# KiCad board haptic display 8x8 aisler.kicad_pcb (continued)
## Routing (per net, layer and track width the routed paths; a pad name or vN(x,y) marks a point on that pad's centre or on a via; arc(x,y) is an arc through that point) (continued)
  Back w0.15: 125.41,123.98 125.36,123.96 125,123.6 125,123.55 125.21,123.56 125.41,123.6 125.61,123.67 125.8,123.76 125.97,123.88 126.12,124.03 126.25,124.19 126.36,124.38 126.44,124.58 126.49,124.79 126.51,125 126.5,125.22 126.46,125.43 126.39,125.64 126.29,125.83 126.16,126.01 126.01,126.17 125.84,126.31 125.65,126.42 125.44,126.5 125.22,126.55 125,126.58 124.78,126.56 124.55,126.52 124.34,126.45 124.14,126.34 123.95,126.21 123.78,126.05 123.64,125.87 123.53,125.67 123.44,125.46 123.38,125.23 123.36,125 123.37,124.77 123.42,124.54 123.49,124.31 123.6,124.1 123.74,123.91 123.91,123.74 124.09,123.59 124.3,123.47 124.52,123.38 124.76,123.32 125,123.3 125.22,123.31 125.44,123.35 125.66,123.41 125.86,123.51 126.05,123.63 126.22,123.78 126.38,123.94 126.51,124.13 126.61,124.33 126.69,124.55 126.74,124.77 126.76,125 126.75,125.23 126.71,125.46 126.64,125.68 126.54,125.89 126.42,126.09 126.27,126.27 126.1,126.43 125.9,126.56 125.69,126.67 125.47,126.75 125.24,126.8 125,126.83 124.76,126.81 124.52,126.77 124.3,126.7 124.08,126.6 123.87,126.47 123.69,126.31 123.52,126.13 123.38,125.93 123.27,125.72 123.19,125.49 123.13,125.25 123.11,125 123.12,124.75 123.17,124.51 123.24,124.27 123.35,124.05 123.48,123.84 123.64,123.64 123.83,123.47 124.04,123.33 124.26,123.21 124.5,123.13 124.75,123.07 125,123.05 125.24,123.06 125.47,123.1 125.7,123.16 125.92,123.26 126.12,123.38 126.31,123.52 126.48,123.68 126.64,123.87 126.76,124.07 126.87,124.29 126.94,124.52 126.99,124.76 127.01,125 127,125.24 126.96,125.48 126.9,125.72 126.8,125.94 126.68,126.16 126.53,126.35 126.36,126.53 126.17,126.69 125.96,126.82 125.73,126.93 125.49,127.01 125.25,127.06 125,127.08 124.75,127.06 124.5,127.02 124.26,126.95 124.03,126.85 123.81,126.73 123.6,126.57 123.42,126.4 123.26,126.2 123.12,125.98 123.01,125.75 122.93,125.51 122.88,125.26 122.86,125 122.87,124.74 122.92,124.49 122.99,124.24 123.09,124 123.22,123.77 123.38,123.56 123.56,123.37 123.76,123.21 123.99,123.07 124.22,122.96 124.48,122.87 124.74,122.82 125,122.8 125.25,122.81 125.49,122.85 125.73,122.91 125.96,123 126.18,123.12 126.39,123.26 126.58,123.42 126.75,123.61 126.9,123.81 127.02,124.03 127.12,124.26 127.2,124.5 127.24,124.75 127.26,125 127.25,125.25 127.21,125.51 127.15,125.75 127.05,125.99 126.93,126.22 126.79,126.43 126.62,126.62 126.43,126.8 126.23,126.95 126,127.08 125.76,127.18 125.52,127.26 125.26,127.31 125,127.33 124.74,127.31 124.48,127.28 124.23,127.21 123.98,127.11 123.75,126.99 123.53,126.84 123.33,126.67 123.15,126.47 123,126.26 122.87,126.03 122.76,125.78 122.68,125.53 122.63,125.27 122.61,125 122.62,124.73 122.66,124.47 122.73,124.21 122.83,123.96 122.96,123.72 123.11,123.49 123.29,123.29 123.49,123.11 123.71,122.94 123.94,122.81 124.2,122.7 124.46,122.62 124.73,122.57 125,122.55 125.26,122.56 125.51,122.6 125.76,122.66 126,122.75 126.24,122.86 126.45,123 126.66,123.16 126.85,123.34 127.01,123.54 127.16,123.75 127.28,123.98 127.38,124.23 127.45,124.48 127.49,124.74 127.51,125 127.5,125.26 127.47,125.52 127.4,125.78 127.31,126.03 127.19,126.27 127.05,126.49 126.89,126.7 126.7,126.89 126.5,127.06 126.28,127.21 126.04,127.34 125.79,127.44 125.53,127.51 125.27,127.56 125,127.58 124.73,127.57 124.46,127.53 124.2,127.46 123.95,127.37 123.7,127.25 123.47,127.1 123.26,126.94 123.06,126.75 122.89,126.54 122.73,126.31 122.61,126.07 122.5,125.81 122.43,125.55 122.38,125.28 122.36,125 122.37,124.72 122.41,124.45 122.48,124.18 122.58,123.92 122.7,123.67 122.85,123.44 123.02,123.22 123.21,123.02 123.43,122.84 123.66,122.68 123.91,122.55 124.17,122.44 124.44,122.37 124.72,122.32 125,122.3 125.27,122.31 125.53,122.34 125.79,122.41 126.04,122.49 126.28,122.6 126.51,122.74 126.73,122.89 126.93,123.07 127.11,123.26 127.28,123.48 127.42,123.71 127.54,123.95 127.63,124.2 127.7,124.46 127.75,124.73 127.76,125 127.75,125.27 127.72,125.54 127.65,125.81 127.57,126.06 127.45,126.31 127.32,126.55 127.16,126.77 126.98,126.98 126.77,127.16 126.56,127.33 126.32,127.47 126.08,127.6 125.82,127.69 125.55,127.76 125.28,127.81 125,127.83 124.72,127.82 124.45,127.78 124.18,127.71 123.91,127.62 123.66,127.51 123.42,127.37 123.19,127.2 122.98,127.02 122.79,126.81 122.62,126.59 122.47,126.35 122.35,126.1 122.25,125.83 122.18,125.56 122.13,125.28 122.11,125 122.12,124.72 122.16,124.44 122.23,124.16 122.32,123.89 122.44,123.63 122.58,123.38 122.75,123.15 122.94,122.94 123.15,122.74 123.37,122.57 123.62,122.42 123.88,122.29 124.15,122.19 124.43,122.11 124.71,122.07 125,122.05 125.27,122.06 125.54,122.09 125.81,122.15 126.07,122.24 126.32,122.34 126.56,122.47 126.79,122.63 127.01,122.8 127.2,122.99 127.38,123.2 127.54,123.43 127.68,123.67 127.8,123.92 127.89,124.18 127.95,124.45 128,124.72 128.01,125 128,125.28 127.97,125.55 127.91,125.83 127.82,126.09 127.71,126.35 127.58,126.6 127.42,126.83 127.25,127.05 127.05,127.25 126.84,127.43 126.61,127.6 126.36,127.74 126.11,127.85 125.84,127.95 125.56,128.02 125.28,128.06 125,128.07 124.72,128.07 124.43,128.03 124.16,127.97 123.88,127.88 123.62,127.77 123.37,127.63 123.13,127.47 122.91,127.29 122.7,127.09 122.52,126.88 122.35,126.64 122.21,126.39 122.09,126.13 121.99,125.86 121.92,125.58 121.88,125.29 121.86,125 121.87,124.71 121.91,124.42 121.97,124.14 122.06,123.86 122.17,123.59 122.31,123.34 122.48,123.09 122.66,122.87 122.86,122.66 123.09,122.47 123.33,122.3 123.58,122.15 123.85,122.03 124.13,121.93 124.41,121.86 124.71,121.82 125,121.8 125.28,121.81 125.56,121.84 125.83,121.9 126.1,121.98 126.36,122.08 126.61,122.21 126.85,122.36 127.07,122.53 127.28,122.72 127.48,122.92 127.65,123.14 127.81,123.38 127.94,123.63 128.05,123.89 128.14,124.16 128.21,124.43 128.25,124.72 128.26,125 128.25,125.28 128.22,125.57 128.16,125.85 128.08,126.12 127.97,126.39 127.84,126.64 127.69,126.89 127.52,127.11 127.33,127.33 127.12,127.53 126.89,127.7 126.65,127.86 126.4,128 126.13,128.11 125.86,128.2 125.58,128.27 125.29,128.31 125,128.32 124.71,128.32 124.42,128.28 124.14,128.22 123.86,128.14 123.59,128.03 123.33,127.9 123.08,127.74 122.84,127.57 122.63,127.37 122.43,127.16 122.25,126.93 122.08,126.68 121.95,126.42 121.83,126.15 121.74,125.87 121.67,125.59 121.63,125.29 121.61,125 121.62,124.7 121.66,124.41 121.72,124.12 121.8,123.84 121.91,123.56 122.05,123.3 122.21,123.04 122.38,122.8 122.58,122.58 122.8,122.38 123.04,122.19 123.29,122.03 123.55,121.89 123.82,121.77 124.11,121.68 124.4,121.61 124.7,121.57 125,121.55 125.29,121.56 125.57,121.59 125.85,121.65 126.12,121.72 126.39,121.83 126.65,121.95 126.9,122.09 127.14,122.26 127.36,122.44 127.56,122.64 127.75,122.86 127.92,123.09 128.07,123.34 128.2,123.6 128.31,123.86 128.4,124.14 128.46,124.42 128.5,124.71 128.51,125 128.5,125.29 128.47,125.58 128.41,125.86 128.33,126.14 128.23,126.42 128.11,126.68 127.96,126.93 127.79,127.17 127.61,127.4 127.4,127.61 127.18,127.8 126.94,127.97 126.69,128.13 126.43,128.26 126.16,128.37 125.88,128.46 125.59,128.52 125.29,128.56 125,128.57 124.7,128.57 124.41,128.53 124.12,128.48 123.83,128.39 123.56,128.29 123.29,128.16 123.03,128.01 122.79,127.84 122.56,127.65 122.35,127.44 122.15,127.22 121.97,126.98 121.82,126.72 121.68,126.45 121.57,126.18 121.48,125.89 121.42,125.6 121.38,125.3 121.36,125 121.37,124.7 121.41,124.4 121.46,124.1 121.55,123.81 121.65,123.53 121.78,123.26 121.94,123 122.11,122.75 122.3,122.52 122.51,122.3 122.74,122.1 122.99,121.92 123.25,121.76 123.52,121.63 123.8,121.51 124.09,121.42 124.39,121.36 124.69,121.32 125,121.3 125.29,121.31 125.58,121.34 125.87,121.39 126.15,121.47 126.42,121.57 126.69,121.69 126.94,121.83 127.19,121.99 127.42,122.17 127.64,122.36 127.84,122.57 128.02,122.8 128.19,123.05 128.34,123.3 128.46,123.57 128.57,123.84 128.65,124.12 128.71,124.41 128.75,124.71 128.76,125 128.75,125.3 128.72,125.59 128.67,125.88 128.59,126.17 128.49,126.45 128.37,126.72 128.23,126.98 128.06,127.23 127.88,127.46 127.68,127.68 127.47,127.89 127.23,128.07 126.99,128.24 126.73,128.39 126.46,128.52 126.18,128.63 125.89,128.71 125.6,128.77 125.3,128.81 125,128.82 124.7,128.82 124.4,128.78 124.1,128.73 123.81,128.65 123.53,128.55 123.25,128.42 122.99,128.28 122.74,128.11 122.5,127.93 122.27,127.73 122.07,127.51 121.88,127.27 121.7,127.02 121.55,126.76 121.42,126.48 121.31,126.2 121.23,125.91 121.17,125.61 121.13,125.3 121.11,125 121.12,124.69 121.15,124.39 121.21,124.09 121.29,123.79 121.39,123.51 121.52,123.23 121.67,122.96 121.83,122.7 122.02,122.46 122.23,122.23 122.45,122.02 122.69,121.82 122.95,121.65 123.22,121.5 123.49,121.37 123.78,121.26 124.08,121.17 124.38,121.1 124.69,121.07 125,121.05 125.3,121.06 125.59,121.09 125.88,121.14 126.17,121.21 126.45,121.31 126.72,121.43 126.99,121.56 127.24,121.72 127.48,121.89 127.71,122.08 127.92,122.29 128.12,122.51 128.3,122.75 128.46,123 128.6,123.27 128.72,123.54 128.82,123.82 128.9,124.11 128.96,124.4 129,124.7 129.01,125 129,125.3 128.97,125.6 128.92,125.89 128.85,126.19 128.75,126.47 128.63,126.75 128.49,127.02 128.33,127.27 128.16,127.52 127.96,127.75 127.75,127.97 127.52,128.17 127.28,128.35 127.03,128.51 126.76,128.66 126.48,128.78 126.2,128.88 125.9,128.96 125.61,129.02 125.3,129.06 125,129.07 124.7,129.07 124.39,129.04 124.09,128.98 123.8,128.91 123.51,128.81 123.22,128.69 122.95,128.55 122.69,128.39 122.44,128.21 122.21,128.01 121.99,127.79 121.79,127.56 121.6,127.32 121.43,127.06 121.29,126.79 121.16,126.51 121.06,126.22 120.97,125.92 120.91,125.62 120.88,125.31 120.86,125 120.87,124.69 120.9,124.38 120.96,124.08 121.03,123.78 121.13,123.48 121.26,123.2 121.4,122.92 121.56,122.66 121.74,122.4 121.95,122.17 122.16,121.94 122.4,121.74 122.65,121.55 122.91,121.38 123.19,121.23 123.47,121.1 123.77,121 124.07,120.91 124.37,120.85 124.69,120.81 125,120.8 125.3,120.81 125.6,120.84 125.89,120.89 126.19,120.96 126.47,121.05 126.75,121.16 127.02,121.3 127.28,121.45 127.53,121.62 127.77,121.8 127.99,122.01 128.2,122.23 128.39,122.46 128.57,122.71 128.72,122.97 128.86,123.24 128.98,123.52 129.08,123.8 129.16,124.1 129.21,124.39 129.25,124.7 129.26,125 129.25,125.3 129.22,125.61 129.17,125.91 129.1,126.2 129.01,126.49 128.89,126.78 128.76,127.05 128.6,127.32 128.43,127.57 128.24,127.81 128.04,128.04 127.81,128.25 127.58,128.44 127.33,128.62 127.06,128.78 126.79,128.92 126.51,129.04 126.22,129.14 125.92,129.22 125.61,129.28 125.31,129.31 125,129.32 124.69,129.32 124.38,129.29 124.08,129.23 123.78,129.16 123.48,129.07 123.2,128.95 122.92,128.81 122.65,128.66 122.39,128.48 122.15,128.29 121.92,128.08 121.71,127.85 121.51,127.61 121.33,127.36 121.17,127.09 121.02,126.82 120.9,126.53 120.8,126.23 120.72,125.93 120.66,125.62 120.63,125.31 120.61,125 120.62,124.69 120.65,124.37 120.7,124.07 120.78,123.76 120.88,123.46 120.99,123.17 121.13,122.89 121.29,122.62 121.47,122.36 121.66,122.11 121.88,121.88 122.1,121.66 122.35,121.46 122.61,121.28 122.88,121.11 123.16,120.97 123.45,120.84 123.75,120.74 124.06,120.66 124.37,120.6 124.68,120.56 125,120.55 126.45,120.55 ; 125.41,108.98 125.36,108.96 125,108.6 125,108.55 125.21,108.56 125.41,108.6 125.61,108.67 125.8,108.76 125.97,108.88 126.12,109.03 126.25,109.19 126.36,109.38 126.44,109.58 126.49,109.79 126.51,110 126.5,110.22 126.46,110.43 126.39,110.64 126.29,110.83 126.16,111.01 126.01,111.17 125.84,111.31 125.65,111.42 125.44,111.5 125.22,111.55 125,111.58 124.78,111.56 124.55,111.52 124.34,111.45 124.14,111.34 123.95,111.21 123.78,111.05 123.64,110.87 123.53,110.67 123.44,110.46 123.38,110.23 123.36,110 123.37,109.77 123.42,109.54 123.49,109.31 123.6,109.1 123.74,108.91 123.91,108.74 124.09,108.59 124.3,108.47 124.52,108.38 124.76,108.32 125,108.3 125.22,108.31 125.44,108.35 125.66,108.41 125.86,108.51 126.05,108.63 126.22,108.78 126.38,108.94 126.51,109.13 126.61,109.33 126.69,109.55 126.74,109.77 126.76,110 126.75,110.23 126.71,110.46 126.64,110.68 126.54,110.89 126.42,111.09 126.27,111.27 126.1,111.43 125.9,111.56 125.69,111.67 125.47,111.75 125.24,111.8 125,111.83 124.76,111.81 124.52,111.77 124.3,111.7 124.08,111.6 123.87,111.47 123.69,111.31 123.52,111.13 123.38,110.93 123.27,110.72 123.19,110.49 123.13,110.25 123.11,110 123.12,109.75 123.17,109.51 123.24,109.27 123.35,109.05 123.48,108.84 123.64,108.64 123.83,108.47 124.04,108.33 124.26,108.21 124.5,108.13 124.75,108.07 125,108.05 125.24,108.06 125.47,108.1 125.7,108.16 125.92,108.26 126.12,108.38 126.31,108.52 126.48,108.68 126.64,108.87 126.76,109.07 126.87,109.29 126.94,109.52 126.99,109.76 127.01,110 127,110.24 126.96,110.48 126.9,110.72 126.8,110.94 126.68,111.16 126.53,111.35 126.36,111.53 126.17,111.69 125.96,111.82 125.73,111.93 125.49,112.01 125.25,112.06 125,112.08 124.75,112.06 124.5,112.02 124.26,111.95 124.03,111.85 123.81,111.73 123.6,111.57 123.42,111.4 123.26,111.2 123.12,110.98 123.01,110.75 122.93,110.51 122.88,110.26 122.86,110 122.87,109.74 122.92,109.49 122.99,109.24 123.09,109 123.22,108.77 123.38,108.56 123.56,108.37 123.76,108.21 123.99,108.07 124.22,107.96 124.48,107.87 124.74,107.82 125,107.8 125.25,107.81 125.49,107.85 125.73,107.91 125.96,108 126.18,108.12 126.39,108.26 126.58,108.42 126.75,108.61 126.9,108.81 127.02,109.03 127.12,109.26 127.2,109.5 127.24,109.75 127.26,110 127.25,110.25 127.21,110.51 127.15,110.75 127.05,110.99 126.93,111.22 126.79,111.43 126.62,111.62 126.43,111.8 126.23,111.95 126,112.08 125.76,112.18 125.52,112.26 125.26,112.31 125,112.33 124.74,112.31 124.48,112.28 124.23,112.21 123.98,112.11 123.75,111.99 123.53,111.84 123.33,111.67 123.15,111.47 123,111.26 122.87,111.03 122.76,110.78 122.68,110.53 122.63,110.27 122.61,110 122.62,109.73 122.66,109.47 122.73,109.21 122.83,108.96 122.96,108.72 123.11,108.49 123.29,108.29 123.49,108.11 123.71,107.94 123.94,107.81 124.2,107.7 124.46,107.62 124.73,107.57 125,107.55 125.26,107.56 125.51,107.6 125.76,107.66 126,107.75 126.24,107.86 126.45,108 126.66,108.16 126.85,108.34 127.01,108.54 127.16,108.75 127.28,108.98 127.38,109.23 127.45,109.48 127.49,109.74 127.51,110 127.5,110.26 127.47,110.52 127.4,110.78 127.31,111.03 127.19,111.27 127.05,111.49 126.89,111.7 126.7,111.89 126.5,112.06 126.28,112.21 126.04,112.34 125.79,112.44 125.53,112.51 125.27,112.56 125,112.58 124.73,112.57 124.46,112.53 124.2,112.46 123.95,112.37 123.7,112.25 123.47,112.1 123.26,111.94 123.06,111.75 122.89,111.54 122.73,111.31 122.61,111.07 122.5,110.81 122.43,110.55 122.38,110.28 122.36,110 122.37,109.72 122.41,109.45 122.48,109.18 122.58,108.92 122.7,108.67 122.85,108.44 123.02,108.22 123.21,108.02 123.43,107.84 123.66,107.68 123.91,107.55 124.17,107.44 124.44,107.37 124.72,107.32 125,107.3 125.27,107.31 125.53,107.34 125.79,107.41 126.04,107.49 126.28,107.6 126.51,107.74 126.73,107.89 126.93,108.07 127.11,108.26 127.28,108.48 127.42,108.71 127.54,108.95 127.63,109.2 127.7,109.46 127.75,109.73 127.76,110 127.75,110.27 127.72,110.54 127.65,110.81 127.57,111.06 127.45,111.31 127.32,111.55 127.16,111.77 126.98,111.98 126.77,112.16 126.56,112.33 126.32,112.47 126.08,112.6 125.82,112.69 125.55,112.76 125.28,112.81 125,112.83 124.72,112.82 124.45,112.78 124.18,112.71 123.91,112.62 123.66,112.51 123.42,112.37 123.19,112.2 122.98,112.02 122.79,111.81 122.62,111.59 122.47,111.35 122.35,111.1 122.25,110.83 122.18,110.56 122.13,110.28 122.11,110 122.12,109.72 122.16,109.44 122.23,109.16 122.32,108.89 122.44,108.63 122.58,108.38 122.75,108.15 122.94,107.94 123.15,107.74 123.37,107.57 123.62,107.42 123.88,107.29 124.15,107.19 124.43,107.11 124.71,107.07 125,107.05 125.27,107.06 125.54,107.09 125.81,107.15 126.07,107.24 126.32,107.34 126.56,107.47 126.79,107.63 127.01,107.8 127.2,107.99 127.38,108.2 127.54,108.43 127.68,108.67 127.8,108.92 127.89,109.18 127.95,109.45 128,109.72 128.01,110 128,110.28 127.97,110.55 127.91,110.83 127.82,111.09 127.71,111.35 127.58,111.6 127.42,111.83 127.25,112.05 127.05,112.25 126.84,112.43 126.61,112.6 126.36,112.74 126.11,112.85 125.84,112.95 125.56,113.02 125.28,113.06 125,113.08 124.72,113.07 124.43,113.03 124.16,112.97 123.88,112.88 123.62,112.77 123.37,112.63 123.13,112.47 122.91,112.29 122.7,112.09 122.52,111.88 122.35,111.64 122.21,111.39 122.09,111.13 121.99,110.86 121.92,110.58 121.88,110.29 121.86,110 121.87,109.71 121.91,109.42 121.97,109.14 122.06,108.86 122.17,108.59 122.31,108.34 122.48,108.09 122.66,107.87 122.86,107.66 123.09,107.47 123.33,107.3 123.58,107.15 123.85,107.03 124.13,106.93 124.41,106.86 124.71,106.82 125,106.8 125.28,106.81 125.56,106.84 125.83,106.9 126.1,106.98 126.36,107.08 126.61,107.21 126.85,107.36 127.07,107.53 127.28,107.72 127.48,107.92 127.65,108.14 127.81,108.38 127.94,108.63 128.05,108.89 128.14,109.16 128.21,109.43 128.25,109.72 128.26,110 128.25,110.28 128.22,110.57 128.16,110.85 128.08,111.12 127.97,111.39 127.84,111.64 127.69,111.89 127.52,112.11 127.33,112.33 127.12,112.53 126.89,112.7 126.65,112.86 126.4,113 126.13,113.11 125.86,113.2 125.58,113.27 125.29,113.31 125,113.33 124.71,113.32 124.42,113.28 124.14,113.22 123.86,113.14 123.59,113.03 123.33,112.9 123.08,112.74 122.84,112.57 122.63,112.37 122.43,112.16 122.25,111.93 122.08,111.68 121.95,111.42 121.83,111.15 121.74,110.87 121.67,110.59 121.63,110.29 121.61,110 121.62,109.7 121.66,109.41 121.72,109.12 121.8,108.84 121.91,108.56 122.05,108.3 122.21,108.04 122.38,107.8 122.58,107.58 122.8,107.38 123.04,107.19 123.29,107.03 123.55,106.89 123.82,106.77 124.11,106.68 124.4,106.61 124.7,106.57 125,106.55 125.29,106.56 125.57,106.59 125.85,106.65 126.12,106.72 126.39,106.83 126.65,106.95 126.9,107.09 127.14,107.26 127.36,107.44 127.56,107.64 127.75,107.86 127.92,108.09 128.07,108.34 128.2,108.6 128.31,108.86 128.4,109.14 128.46,109.42 128.5,109.71 128.51,110 128.5,110.29 128.47,110.58 128.41,110.86 128.33,111.14 128.23,111.42 128.11,111.68 127.96,111.93 127.79,112.17 127.61,112.4 127.4,112.61 127.18,112.8 126.94,112.97 126.69,113.13 126.43,113.26 126.16,113.37 125.88,113.46 125.59,113.52 125.29,113.56 125,113.58 124.7,113.57 124.41,113.53 124.12,113.48 123.83,113.39 123.56,113.29 123.29,113.16 123.03,113.01 122.79,112.84 122.56,112.65 122.35,112.44 122.15,112.22 121.97,111.98 121.82,111.72 121.68,111.45 121.57,111.18 121.48,110.89 121.42,110.6 121.38,110.3 121.36,110 121.37,109.7 121.41,109.4 121.46,109.1 121.55,108.81 121.65,108.53 121.78,108.26 121.94,108 122.11,107.75 122.3,107.52 122.51,107.3 122.74,107.1 122.99,106.92 123.25,106.76 123.52,106.63 123.8,106.51 124.09,106.42 124.39,106.36 124.69,106.32 125,106.3 125.29,106.31 125.58,106.34 125.87,106.39 126.15,106.47 126.42,106.57 126.69,106.69 126.94,106.83 127.19,106.99 127.42,107.17 127.64,107.36 127.84,107.57 128.02,107.8 128.19,108.05 128.34,108.3 128.46,108.57 128.57,108.84 128.65,109.12 128.71,109.41 128.75,109.71 128.76,110 128.75,110.3 128.72,110.59 128.67,110.88 128.59,111.17 128.49,111.45 128.37,111.72 128.23,111.98 128.06,112.23 127.88,112.46 127.68,112.68 127.47,112.89 127.23,113.07 126.99,113.24 126.73,113.39 126.46,113.52 126.18,113.63 125.89,113.71 125.6,113.77 125.3,113.81 125,113.83 124.7,113.82 124.4,113.78 124.1,113.73 123.81,113.65 123.53,113.55 123.25,113.42 122.99,113.28 122.74,113.11 122.5,112.93 122.27,112.73 122.07,112.51 121.88,112.27 121.7,112.02 121.55,111.76 121.42,111.48 121.31,111.2 121.23,110.91 121.17,110.61 121.13,110.3 121.11,110 121.12,109.69 121.15,109.39 121.21,109.09 121.29,108.79 121.39,108.51 121.52,108.23 121.67,107.96 121.83,107.7 122.02,107.46 122.23,107.23 122.45,107.02 122.69,106.82 122.95,106.65 123.22,106.5 123.49,106.37 123.78,106.26 124.08,106.17 124.38,106.1 124.69,106.07 125,106.05 125.3,106.06 125.59,106.09 125.88,106.14 126.17,106.21 126.45,106.31 126.72,106.43 126.99,106.56 127.24,106.72 127.48,106.89 127.71,107.08 127.92,107.29 128.12,107.51 128.3,107.75 128.46,108 128.6,108.27 128.72,108.54 128.82,108.82 128.9,109.11 128.96,109.4 129,109.7 129.01,110 129,110.3 128.97,110.6 128.92,110.89 128.85,111.19 128.75,111.47 128.63,111.75 128.49,112.02 128.33,112.27 128.16,112.52 127.96,112.75 127.75,112.97 127.52,113.17 127.28,113.35 127.03,113.51 126.76,113.66 126.48,113.78 126.2,113.88 125.9,113.96 125.61,114.02 125.3,114.06 125,114.08 124.7,114.07 124.39,114.04 124.09,113.98 123.8,113.91 123.51,113.81 123.22,113.69 122.95,113.55 122.69,113.39 122.44,113.21 122.21,113.01 121.99,112.79 121.79,112.56 121.6,112.32 121.43,112.06 121.29,111.79 121.16,111.51 121.06,111.22 120.97,110.92 120.91,110.62 120.88,110.31 120.86,110 120.87,109.69 120.9,109.38 120.96,109.08 121.03,108.78 121.13,108.48 121.26,108.2 121.4,107.92 121.56,107.66 121.74,107.4 121.95,107.17 122.16,106.94 122.4,106.74 122.65,106.55 122.91,106.38 123.19,106.23 123.47,106.1 123.77,106 124.07,105.91 124.37,105.85 124.69,105.81 125,105.8 125.3,105.81 125.6,105.84 125.89,105.89 126.19,105.96 126.47,106.05 126.75,106.16 127.02,106.3 127.28,106.45 127.53,106.62 127.77,106.8 127.99,107.01 128.2,107.23 128.39,107.46 128.57,107.71 128.72,107.97 128.86,108.24 128.98,108.52 129.08,108.8 129.16,109.1 129.21,109.39 129.25,109.7 129.26,110 129.25,110.3 129.22,110.61 129.17,110.91 129.1,111.2 129.01,111.49 128.89,111.78 128.76,112.05 128.6,112.32 128.43,112.57 128.24,112.81 128.04,113.04 127.81,113.25 127.58,113.44 127.33,113.62 127.06,113.78 126.79,113.92 126.51,114.04 126.22,114.14 125.92,114.22 125.61,114.28 125.31,114.31 125,114.33 124.69,114.32 124.38,114.29 124.08,114.23 123.78,114.16 123.48,114.07 123.2,113.95 122.92,113.81 122.65,113.66 122.39,113.48 122.15,113.29 121.92,113.08 121.71,112.85 121.51,112.61 121.33,112.36 121.17,112.09 121.02,111.82 120.9,111.53 120.8,111.23 120.72,110.93 120.66,110.62 120.63,110.31 120.61,110 120.62,109.69 120.65,109.37 120.7,109.07 120.78,108.76 120.88,108.46 120.99,108.17 121.13,107.89 121.29,107.62 121.47,107.36 121.66,107.11 121.88,106.88 122.1,106.66 122.35,106.46 122.61,106.28 122.88,106.11 123.16,105.97 123.45,105.84 123.75,105.74 124.06,105.66 124.37,105.6 124.68,105.56 125,105.55 126.45,105.55 ; 125.41,93.98 125.36,93.96 125,93.6 125,93.55 125.21,93.56 125.41,93.6 125.61,93.67 125.8,93.76 125.97,93.88 126.12,94.03 126.25,94.19 126.36,94.38 126.44,94.58 126.49,94.79 126.51,95 126.5,95.22 126.46,95.43 126.39,95.64 126.29,95.83 126.16,96.01 126.01,96.17 125.84,96.31 125.65,96.42 125.44,96.5 125.22,96.55 125,96.58 124.78,96.56 124.55,96.52 124.34,96.45 124.14,96.34 123.95,96.21 123.78,96.05 123.64,95.87 123.53,95.67 123.44,95.46 123.38,95.23 123.36,95 123.37,94.77 123.42,94.54 123.49,94.31 123.6,94.1 123.74,93.91 123.91,93.74 124.09,93.59 124.3,93.47 124.52,93.38 124.76,93.32 125,93.3 125.22,93.31 125.44,93.35 125.66,93.41 125.86,93.51 126.05,93.63 126.22,93.78 126.38,93.94 126.51,94.13 126.61,94.33 126.69,94.55 126.74,94.77 126.76,95 126.75,95.23 126.71,95.46 126.64,95.68 126.54,95.89 126.42,96.09 126.27,96.27 126.1,96.43 125.9,96.56 125.69,96.67 125.47,96.75 125.24,96.8 125,96.83 124.76,96.81 124.52,96.77 124.3,96.7 124.08,96.6 123.87,96.47 123.69,96.31 123.52,96.13 123.38,95.93 123.27,95.72 123.19,95.49 123.13,95.25 123.11,95 123.12,94.75 123.17,94.51 123.24,94.27 123.35,94.05 123.48,93.84 123.64,93.64 123.83,93.47 124.04,93.33 124.26,93.21 124.5,93.13 124.75,93.07 125,93.05 125.24,93.06 125.47,93.1 125.7,93.16 125.92,93.26 126.12,93.38 126.31,93.52 126.48,93.68 126.64,93.87 126.76,94.07 126.87,94.29 126.94,94.52 126.99,94.76 127.01,95 127,95.24 126.96,95.48 126.9,95.72 126.8,95.94 126.68,96.16 126.53,96.35 126.36,96.53 126.17,96.69 125.96,96.82 125.73,96.93 125.49,97.01 125.25,97.06 125,97.08 124.75,97.06 124.5,97.02 124.26,96.95 124.03,96.85 123.81,96.73 123.6,96.57 123.42,96.4 123.26,96.2 123.12,95.98 123.01,95.75 122.93,95.51 122.88,95.26 122.86,95 122.87,94.74 122.92,94.49 122.99,94.24 123.09,94 123.22,93.77 123.38,93.56 123.56,93.37 123.76,93.21 123.99,93.07 124.22,92.96 124.48,92.87 124.74,92.82 125,92.8 125.25,92.81 125.49,92.85 125.73,92.91 125.96,93 126.18,93.12 126.39,93.26 126.58,93.42 126.75,93.61 126.9,93.81 127.02,94.03 127.12,94.26 127.2,94.5 127.24,94.75 127.26,95 127.25,95.25 127.21,95.51 127.15,95.75 127.05,95.99 126.93,96.22 126.79,96.43 126.62,96.62 126.43,96.8 126.23,96.95 126,97.08 125.76,97.18 125.52,97.26 125.26,97.31 125,97.33 124.74,97.31 124.48,97.28 124.23,97.21 123.98,97.11 123.75,96.99 123.53,96.84 123.33,96.67 123.15,96.47 123,96.26 122.87,96.03 122.76,95.78 122.68,95.53 122.63,95.27 122.61,95 122.62,94.73 122.66,94.47 122.73,94.21 122.83,93.96 122.96,93.72 123.11,93.49 123.29,93.29 123.49,93.11 123.71,92.94 123.94,92.81 124.2,92.7 124.46,92.62 124.73,92.57 125,92.55 125.26,92.56 125.51,92.6 125.76,92.66 126,92.75 126.24,92.86 126.45,93 126.66,93.16 126.85,93.34 127.01,93.54 127.16,93.75 127.28,93.98 127.38,94.23 127.45,94.48 127.49,94.74 127.51,95 127.5,95.26 127.47,95.52 127.4,95.78 127.31,96.03 127.19,96.27 127.05,96.49 126.89,96.7 126.7,96.89 126.5,97.06 126.28,97.21 126.04,97.34 125.79,97.44 125.53,97.51 125.27,97.56 125,97.58 124.73,97.57 124.46,97.53 124.2,97.46 123.95,97.37 123.7,97.25 123.47,97.1 123.26,96.94 123.06,96.75 122.89,96.54 122.73,96.31 122.61,96.07 122.5,95.81 122.43,95.55 122.38,95.28 122.36,95 122.37,94.72 122.41,94.45 122.48,94.18 122.58,93.92 122.7,93.67 122.85,93.44 123.02,93.22 123.21,93.02 123.43,92.84 123.66,92.68 123.91,92.55 124.17,92.44 124.44,92.37 124.72,92.32 125,92.3 125.27,92.31 125.53,92.34 125.79,92.41 126.04,92.49 126.28,92.6 126.51,92.74 126.73,92.89 126.93,93.07 127.11,93.26 127.28,93.48 127.42,93.71 127.54,93.95 127.63,94.2 127.7,94.46 127.75,94.73 127.76,95 127.75,95.27 127.72,95.54 127.65,95.81 127.57,96.06 127.45,96.31 127.32,96.55 127.16,96.77 126.98,96.98 126.77,97.16 126.56,97.33 126.32,97.47 126.08,97.6 125.82,97.69 125.55,97.76 125.28,97.81 125,97.83 124.72,97.82 124.45,97.78 124.18,97.71 123.91,97.62 123.66,97.51 123.42,97.37 123.19,97.2 122.98,97.02 122.79,96.81 122.62,96.59 122.47,96.35 122.35,96.1 122.25,95.83 122.18,95.56 122.13,95.28 122.11,95 122.12,94.72 122.16,94.44 122.23,94.16 122.32,93.89 122.44,93.63 122.58,93.38 122.75,93.15 122.94,92.94 123.15,92.74 123.37,92.57 123.62,92.42 123.88,92.29 124.15,92.19 124.43,92.11 124.71,92.07 125,92.05 125.27,92.06 125.54,92.09 125.81,92.15 126.07,92.24 126.32,92.34 126.56,92.47 126.79,92.63 127.01,92.8 127.2,92.99 127.38,93.2 127.54,93.43 127.68,93.67 127.8,93.92 127.89,94.18 127.95,94.45 128,94.72 128.01,95 128,95.28 127.97,95.55 127.91,95.83 127.82,96.09 127.71,96.35 127.58,96.6 127.42,96.83 127.25,97.05 127.05,97.25 126.84,97.43 126.61,97.6 126.36,97.74 126.11,97.85 125.84,97.95 125.56,98.02 125.28,98.06 125,98.08 124.72,98.07 124.43,98.03 124.16,97.97 123.88,97.88 123.62,97.77 123.37,97.63 123.13,97.47 122.91,97.29 122.7,97.09 122.52,96.88 122.35,96.64 122.21,96.39 122.09,96.13 121.99,95.86 121.92,95.58 121.88,95.29 121.86,95 121.87,94.71 121.91,94.42 121.97,94.14 122.06,93.86 122.17,93.59 122.31,93.34 122.48,93.09 122.66,92.87 122.86,92.66 123.09,92.47 123.33,92.3 123.58,92.15 123.85,92.03 124.13,91.93 124.41,91.86 124.71,91.82 125,91.8 125.28,91.81 125.56,91.84 125.83,91.9 126.1,91.98 126.36,92.08 126.61,92.21 126.85,92.36 127.07,92.53 127.28,92.72 127.48,92.92 127.65,93.14 127.81,93.38 127.94,93.63 128.05,93.89 128.14,94.16 128.21,94.43 128.25,94.72 128.26,95 128.25,95.28 128.22,95.57 128.16,95.85 128.08,96.12 127.97,96.39 127.84,96.64 127.69,96.89 127.52,97.11 127.33,97.33 127.12,97.53 126.89,97.7 126.65,97.86 126.4,98 126.13,98.11 125.86,98.2 125.58,98.27 125.29,98.31 125,98.33 124.71,98.32 124.42,98.28 124.14,98.22 123.86,98.14 123.59,98.03 123.33,97.9 123.08,97.74 122.84,97.57 122.63,97.37 122.43,97.16 122.25,96.93 122.08,96.68 121.95,96.42 121.83,96.15 121.74,95.87 121.67,95.59 121.63,95.29 121.61,95 121.62,94.7 121.66,94.41 121.72,94.12 121.8,93.84 121.91,93.56 122.05,93.3 122.21,93.04 122.38,92.8 122.58,92.58 122.8,92.38 123.04,92.19 123.29,92.03 123.55,91.89 123.82,91.77 124.11,91.68 124.4,91.61 124.7,91.57 125,91.55 125.29,91.56 125.57,91.59 125.85,91.65 126.12,91.72 126.39,91.83 126.65,91.95 126.9,92.09 127.14,92.26 127.36,92.44 127.56,92.64 127.75,92.86 127.92,93.09 128.07,93.34 128.2,93.6 128.31,93.86 128.4,94.14 128.46,94.42 128.5,94.71 128.51,95 128.5,95.29 128.47,95.58 128.41,95.86 128.33,96.14 128.23,96.42 128.11,96.68 127.96,96.93 127.79,97.17 127.61,97.4 127.4,97.61 127.18,97.8 126.94,97.97 126.69,98.13 126.43,98.26 126.16,98.37 125.88,98.46 125.59,98.52 125.29,98.56 125,98.58 124.7,98.57 124.41,98.53 124.12,98.48 123.83,98.39 123.56,98.29 123.29,98.16 123.03,98.01 122.79,97.84 122.56,97.65 122.35,97.44 122.15,97.22 121.97,96.98 121.82,96.72 121.68,96.45 121.57,96.18 121.48,95.89 121.42,95.6 121.38,95.3 121.36,95 121.37,94.7 121.41,94.4 121.46,94.1 121.55,93.81 121.65,93.53 121.78,93.26 121.94,93 122.11,92.75 122.3,92.52 122.51,92.3 122.74,92.1 122.99,91.92 123.25,91.76 123.52,91.63 123.8,91.51 124.09,91.42 124.39,91.36 124.69,91.32 125,91.3 125.29,91.31 125.58,91.34 125.87,91.39 126.15,91.47 126.42,91.57 126.69,91.69 126.94,91.83 127.19,91.99 127.42,92.17 127.64,92.36 127.84,92.57 128.02,92.8 128.19,93.05 128.34,93.3 128.46,93.57 128.57,93.84 128.65,94.12 128.71,94.41 128.75,94.71 128.76,95 128.75,95.3 128.72,95.59 128.67,95.88 128.59,96.17 128.49,96.45 128.37,96.72 128.23,96.98 128.06,97.23 127.88,97.46 127.68,97.68 127.47,97.89 127.23,98.07 126.99,98.24 126.73,98.39 126.46,98.52 126.18,98.63 125.89,98.71 125.6,98.77 125.3,98.81 125,98.83 124.7,98.82 124.4,98.78 124.1,98.73 123.81,98.65 123.53,98.55 123.25,98.42 122.99,98.28 122.74,98.11 122.5,97.93 122.27,97.73 122.07,97.51 121.88,97.27 121.7,97.02 121.55,96.76 121.42,96.48 121.31,96.2 121.23,95.91 121.17,95.61 121.13,95.3 121.11,95 121.12,94.69 121.15,94.39 121.21,94.09 121.29,93.79 121.39,93.51 121.52,93.23 121.67,92.96 121.83,92.7 122.02,92.46 122.23,92.23 122.45,92.02 122.69,91.82 122.95,91.65 123.22,91.5 123.49,91.37 123.78,91.26 124.08,91.17 124.38,91.1 124.69,91.07 125,91.05 125.3,91.06 125.59,91.09 125.88,91.14 126.17,91.21 126.45,91.31 126.72,91.43 126.99,91.56 127.24,91.72 127.48,91.89 127.71,92.08 127.92,92.29 128.12,92.51 128.3,92.75 128.46,93 128.6,93.27 128.72,93.54 128.82,93.82 128.9,94.11 128.96,94.4 129,94.7 129.01,95 129,95.3 128.97,95.6 128.92,95.89 128.85,96.19 128.75,96.47 128.63,96.75 128.49,97.02 128.33,97.27 128.16,97.52 127.96,97.75 127.75,97.97 127.52,98.17 127.28,98.35 127.03,98.51 126.76,98.66 126.48,98.78 126.2,98.88 125.9,98.96 125.61,99.02 125.3,99.06 125,99.08 124.7,99.07 124.39,99.04 124.09,98.98 123.8,98.91 123.51,98.81 123.22,98.69 122.95,98.55 122.69,98.39 122.44,98.21 122.21,98.01 121.99,97.79 121.79,97.56 121.6,97.32 121.43,97.06 121.29,96.79 121.16,96.51 121.06,96.22 120.97,95.92 120.91,95.62 120.88,95.31 120.86,95 120.87,94.69 120.9,94.38 120.96,94.08 121.03,93.78 121.13,93.48 121.26,93.2 121.4,92.92 121.56,92.66 121.74,92.4 121.95,92.17 122.16,91.94 122.4,91.74 122.65,91.55 122.91,91.38 123.19,91.23 123.47,91.1 123.77,91 124.07,90.91 124.37,90.85 124.69,90.81 125,90.8 125.3,90.81 125.6,90.84 125.89,90.89 126.19,90.96 126.47,91.05 126.75,91.16 127.02,91.3 127.28,91.45 127.53,91.62 127.77,91.8 127.99,92.01 128.2,92.23 128.39,92.46 128.57,92.71 128.72,92.97 128.86,93.24 128.98,93.52 129.08,93.8 129.16,94.1 129.21,94.39 129.25,94.7 129.26,95 129.25,95.3 129.22,95.61 129.17,95.91 129.1,96.2 129.01,96.49 128.89,96.78 128.76,97.05 128.6,97.32 128.43,97.57 128.24,97.81 128.04,98.04 127.81,98.25 127.58,98.44 127.33,98.62 127.06,98.78 126.79,98.92 126.51,99.04 126.22,99.14 125.92,99.22 125.61,99.28 125.31,99.31 125,99.33 124.69,99.32 124.38,99.29 124.08,99.23 123.78,99.16 123.48,99.07 123.2,98.95 122.92,98.81 122.65,98.66 122.39,98.48 122.15,98.29 121.92,98.08 121.71,97.85 121.51,97.61 121.33,97.36 121.17,97.09 121.02,96.82 120.9,96.53 120.8,96.23 120.72,95.93 120.66,95.62 120.63,95.31 120.61,95 120.62,94.69 120.65,94.37 120.7,94.07 120.78,93.76 120.88,93.46 120.99,93.17 121.13,92.89 121.29,92.62 121.47,92.36 121.66,92.11 121.88,91.88 122.1,91.66 122.35,91.46 122.61,91.28 122.88,91.11 123.16,90.97 123.45,90.84 123.75,90.74 124.06,90.66 124.37,90.6 124.68,90.56 125,90.55 126.45,90.55 ; 125.41,78.98 125.36,78.96 125,78.6 125,78.55 125.21,78.56 125.41,78.6 125.61,78.67 125.8,78.76 125.97,78.88 126.12,79.03 126.25,79.19 126.36,79.38 126.44,79.58 126.49,79.79 126.51,80 126.5,80.22 126.46,80.43 126.39,80.64 126.29,80.83 126.16,81.01 126.01,81.17 125.84,81.31 125.65,81.42 125.44,81.5 125.22,81.55 125,81.58 124.78,81.56 124.55,81.52 124.34,81.45 124.14,81.34 123.95,81.21 123.78,81.05 123.64,80.87 123.53,80.67 123.44,80.46 123.38,80.23 123.36,80 123.37,79.77 123.42,79.54 123.49,79.31 123.6,79.1 123.74,78.91 123.91,78.74 124.09,78.59 124.3,78.47 124.52,78.38 124.76,78.32 125,78.3 125.22,78.31 125.44,78.35 125.66,78.41 125.86,78.51 126.05,78.63 126.22,78.78 126.38,78.94 126.51,79.13 126.61,79.33 126.69,79.55 126.74,79.77 126.76,80 126.75,80.23 126.71,80.46 126.64,80.68 126.54,80.89 126.42,81.09 126.27,81.27 126.1,81.43 125.9,81.56 125.69,81.67 125.47,81.75 125.24,81.8 125,81.83 124.76,81.81 124.52,81.77 124.3,81.7 124.08,81.6 123.87,81.47 123.69,81.31 123.52,81.13 123.38,80.93 123.27,80.72 123.19,80.49 123.13,80.25 123.11,80 123.12,79.75 123.17,79.51 123.24,79.27 123.35,79.05 123.48,78.84 123.64,78.64 123.83,78.47 124.04,78.33 124.26,78.21 124.5,78.13 124.75,78.07 125,78.05 125.24,78.06 125.47,78.1 125.7,78.16 125.92,78.26 126.12,78.38 126.31,78.52 126.48,78.68 126.64,78.87 126.76,79.07 126.87,79.29 126.94,79.52 126.99,79.76 127.01,80 127,80.24 126.96,80.48 126.9,80.72 126.8,80.94 126.68,81.16 126.53,81.35 126.36,81.53 126.17,81.69 125.96,81.82 125.73,81.93 125.49,82.01 125.25,82.06 125,82.08 124.75,82.06 124.5,82.02 124.26,81.95 124.03,81.85 123.81,81.73 123.6,81.57 123.42,81.4 123.26,81.2 123.12,80.98 123.01,80.75 122.93,80.51 122.88,80.26 122.86,80 122.87,79.74 122.92,79.49 122.99,79.24 123.09,79 123.22,78.77 123.38,78.56 123.56,78.37 123.76,78.21 123.99,78.07 124.22,77.96 124.48,77.87 124.74,77.82 125,77.8 125.25,77.81 125.49,77.85 125.73,77.91 125.96,78 126.18,78.12 126.39,78.26 126.58,78.42 126.75,78.61 126.9,78.81 127.02,79.03 127.12,79.26 127.2,79.5 127.24,79.75 127.26,80 127.25,80.25 127.21,80.51 127.15,80.75 127.05,80.99 126.93,81.22 126.79,81.43 126.62,81.62 126.43,81.8 126.23,81.95 126,82.08 125.76,82.18 125.52,82.26 125.26,82.31 125,82.33 124.74,82.31 124.48,82.28 124.23,82.21 123.98,82.11 123.75,81.99 123.53,81.84 123.33,81.67 123.15,81.47 123,81.26 122.87,81.03 122.76,80.78 122.68,80.53 122.63,80.27 122.61,80 122.62,79.73 122.66,79.47 122.73,79.21 122.83,78.96 122.96,78.72 123.11,78.49 123.29,78.29 123.49,78.11 123.71,77.94 123.94,77.81 124.2,77.7 124.46,77.62 124.73,77.57 125,77.55 125.26,77.56 125.51,77.6 125.76,77.66 126,77.75 126.24,77.86 126.45,78 126.66,78.16 126.85,78.34 127.01,78.54 127.16,78.75 127.28,78.98 127.38,79.23 127.45,79.48 127.49,79.74 127.51,80 127.5,80.26 127.47,80.52 127.4,80.78 127.31,81.03 127.19,81.27 127.05,81.49 126.89,81.7 126.7,81.89 126.5,82.06 126.28,82.21 126.04,82.34 125.79,82.44 125.53,82.51 125.27,82.56 125,82.58 124.73,82.57 124.46,82.53 124.2,82.46 123.95,82.37 123.7,82.25 123.47,82.1 123.26,81.94 123.06,81.75 122.89,81.54 122.73,81.31 122.61,81.07 122.5,80.81 122.43,80.55 122.38,80.28 122.36,80 122.37,79.72 122.41,79.45 122.48,79.18 122.58,78.92 122.7,78.67 122.85,78.44 123.02,78.22 123.21,78.02 123.43,77.84 123.66,77.68 123.91,77.55 124.17,77.44 124.44,77.37 124.72,77.32 125,77.3 125.27,77.31 125.53,77.34 125.79,77.41 126.04,77.49 126.28,77.6 126.51,77.74 126.73,77.89 126.93,78.07 127.11,78.26 127.28,78.48 127.42,78.71 127.54,78.95 127.63,79.2 127.7,79.46 127.75,79.73 127.76,80 127.75,80.27 127.72,80.54 127.65,80.81 127.57,81.06 127.45,81.31 127.32,81.55 127.16,81.77 126.98,81.98 126.77,82.16 126.56,82.33 126.32,82.47 126.08,82.6 125.82,82.69 125.55,82.76 125.28,82.81 125,82.83 124.72,82.82 124.45,82.78 124.18,82.71 123.91,82.62 123.66,82.51 123.42,82.37 123.19,82.2 122.98,82.02 122.79,81.81 122.62,81.59 122.47,81.35 122.35,81.1 122.25,80.83 122.18,80.56 122.13,80.28 122.11,80 122.12,79.72 122.16,79.44 122.23,79.16 122.32,78.89 122.44,78.63 122.58,78.38 122.75,78.15 122.94,77.94 123.15,77.74 123.37,77.57 123.62,77.42 123.88,77.29 124.15,77.19 124.43,77.11 124.71,77.07 125,77.05 125.27,77.06 125.54,77.09 125.81,77.15 126.07,77.24 126.32,77.34 126.56,77.47 126.79,77.63 127.01,77.8 127.2,77.99 127.38,78.2 127.54,78.43 127.68,78.67 127.8,78.92 127.89,79.18 127.95,79.45 128,79.72 128.01,80 128,80.28 127.97,80.55 127.91,80.83 127.82,81.09 127.71,81.35 127.58,81.6 127.42,81.83 127.25,82.05 127.05,82.25 126.84,82.43 126.61,82.6 126.36,82.74 126.11,82.85 125.84,82.95 125.56,83.02 125.28,83.06 125,83.08 124.72,83.07 124.43,83.03 124.16,82.97 123.88,82.88 123.62,82.77 123.37,82.63 123.13,82.47 122.91,82.29 122.7,82.09 122.52,81.88 122.35,81.64 122.21,81.39 122.09,81.13 121.99,80.86 121.92,80.58 121.88,80.29 121.86,80 121.87,79.71 121.91,79.42 121.97,79.14 122.06,78.86 122.17,78.59 122.31,78.34 122.48,78.09 122.66,77.87 122.86,77.66 123.09,77.47 123.33,77.3 123.58,77.15 123.85,77.03 124.13,76.93 124.41,76.86 124.71,76.82 125,76.8 125.28,76.81 125.56,76.84 125.83,76.9 126.1,76.98 126.36,77.08 126.61,77.21 126.85,77.36 127.07,77.53 127.28,77.72 127.48,77.92 127.65,78.14 127.81,78.38 127.94,78.63 128.05,78.89 128.14,79.16 128.21,79.43 128.25,79.72 128.26,80 128.25,80.28 128.22,80.57 128.16,80.85 128.08,81.12 127.97,81.39 127.84,81.64 127.69,81.89 127.52,82.11 127.33,82.33 127.12,82.53 126.89,82.7 126.65,82.86 126.4,83 126.13,83.11 125.86,83.2 125.58,83.27 125.29,83.31 125,83.33 124.71,83.32 124.42,83.28 124.14,83.22 123.86,83.14 123.59,83.03 123.33,82.9 123.08,82.74 122.84,82.57 122.63,82.37 122.43,82.16 122.25,81.93 122.08,81.68 121.95,81.42 121.83,81.15 121.74,80.87 121.67,80.59 121.63,80.29 121.61,80 121.62,79.7 121.66,79.41 121.72,79.12 121.8,78.84 121.91,78.56 122.05,78.3 122.21,78.04 122.38,77.8 122.58,77.58 122.8,77.38 123.04,77.19 123.29,77.03 123.55,76.89 123.82,76.77 124.11,76.68 124.4,76.61 124.7,76.57 125,76.55 125.29,76.56 125.57,76.59 125.85,76.65 126.12,76.72 126.39,76.83 126.65,76.95 126.9,77.09 127.14,77.26 127.36,77.44 127.56,77.64 127.75,77.86 127.92,78.09 128.07,78.34 128.2,78.6 128.31,78.86 128.4,79.14 128.46,79.42 128.5,79.71 128.51,80 128.5,80.29 128.47,80.58 128.41,80.86 128.33,81.14 128.23,81.42 128.11,81.68 127.96,81.93 127.79,82.17 127.61,82.4 127.4,82.61 127.18,82.8 126.94,82.97 126.69,83.13 126.43,83.26 126.16,83.37 125.88,83.46 125.59,83.52 125.29,83.56 125,83.58 124.7,83.57 124.41,83.53 124.12,83.48 123.83,83.39 123.56,83.29 123.29,83.16 123.03,83.01 122.79,82.84 122.56,82.65 122.35,82.44 122.15,82.22 121.97,81.98 121.82,81.72 121.68,81.45 121.57,81.18 121.48,80.89 121.42,80.6 121.38,80.3 121.36,80 121.37,79.7 121.41,79.4 121.46,79.1 121.55,78.81 121.65,78.53 121.78,78.26 121.94,78 122.11,77.75 122.3,77.52 122.51,77.3 122.74,77.1 122.99,76.92 123.25,76.76 123.52,76.63 123.8,76.51 124.09,76.42 124.39,76.36 124.69,76.32 125,76.3 125.29,76.31 125.58,76.34 125.87,76.39 126.15,76.47 126.42,76.57 126.69,76.69 126.94,76.83 127.19,76.99 127.42,77.17 127.64,77.36 127.84,77.57 128.02,77.8 128.19,78.05 128.34,78.3 128.46,78.57 128.57,78.84 128.65,79.12 128.71,79.41 128.75,79.71 128.76,80 128.75,80.3 128.72,80.59 128.67,80.88 128.59,81.17 128.49,81.45 128.37,81.72 128.23,81.98 128.06,82.23 127.88,82.46 127.68,82.68 127.47,82.89 127.23,83.07 126.99,83.24 126.73,83.39 126.46,83.52 126.18,83.63 125.89,83.71 125.6,83.77 125.3,83.81 125,83.83 124.7,83.82 124.4,83.78 124.1,83.73 123.81,83.65 123.53,83.55 123.25,83.42 122.99,83.28 122.74,83.11 122.5,82.93 122.27,82.73 122.07,82.51 121.88,82.27 121.7,82.02 121.55,81.76 121.42,81.48 121.31,81.2 121.23,80.91 121.17,80.61 121.13,80.3 121.11,80 121.12,79.69 121.15,79.39 121.21,79.09 121.29,78.79 121.39,78.51 121.52,78.23 121.67,77.96 121.83,77.7 122.02,77.46 122.23,77.23 122.45,77.02 122.69,76.82 122.95,76.65 123.22,76.5 123.49,76.37 123.78,76.26 124.08,76.17 124.38,76.1 124.69,76.07 125,76.05 125.3,76.06 125.59,76.09 125.88,76.14 126.17,76.21 126.45,76.31 126.72,76.43 126.99,76.56 127.24,76.72 127.48,76.89 127.71,77.08 127.92,77.29 128.12,77.51 128.3,77.75 128.46,78 128.6,78.27 128.72,78.54 128.82,78.82 128.9,79.11 128.96,79.4 129,79.7 129.01,80 129,80.3 128.97,80.6 128.92,80.89 128.85,81.19 128.75,81.47 128.63,81.75 128.49,82.02 128.33,82.27 128.16,82.52 127.96,82.75 127.75,82.97 127.52,83.17 127.28,83.35 127.03,83.51 126.76,83.66 126.48,83.78 126.2,83.88 125.9,83.96 